# KiCad board Inkplate 6 SS_panel.kicad_pcb (continued)
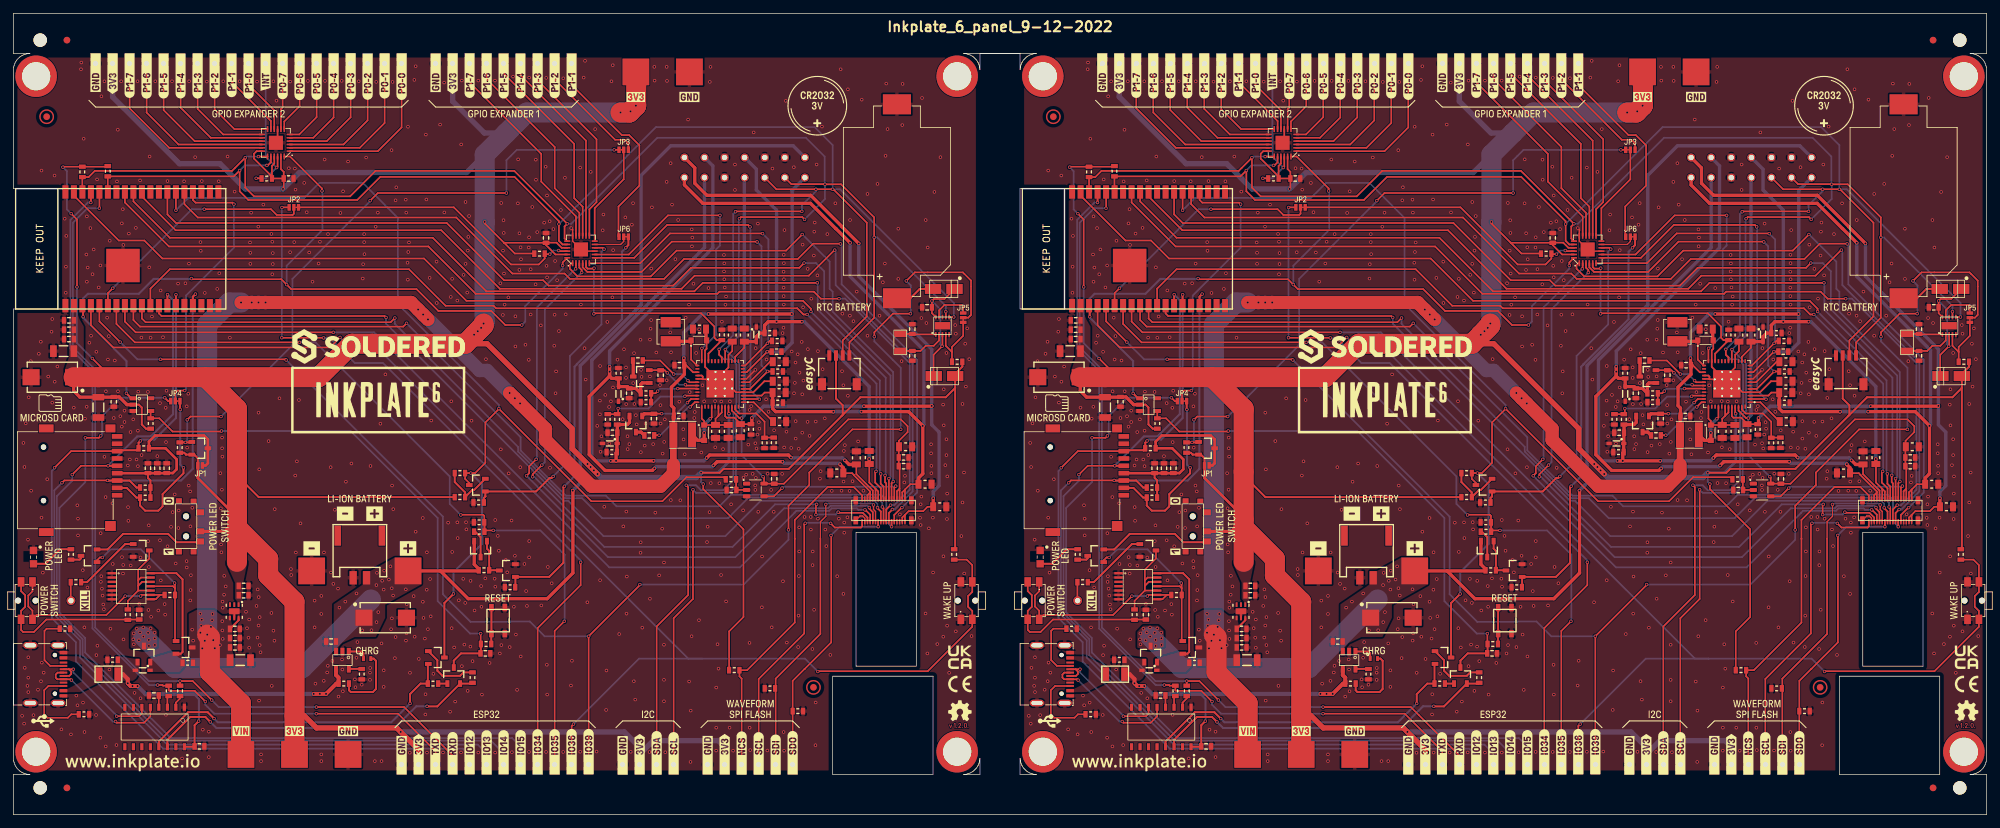
[diagram p0: board, top side]
## Placement (name value [footprint] x y rotation side) (continued)
kibuzzard-6374A419  G***  [kibuzzard-6374A419]  162.68 110.95 90 top
kibuzzard-6374A419#2  G***  [kibuzzard-6374A419]  12.28 110.95 90 top
kibuzzard-6374A452  G***  [kibuzzard-6374A452]  167.76 110.5 90 top
kibuzzard-6374A452#2  G***  [kibuzzard-6374A452]  17.36 110.5 90 top
kibuzzard-6374A470  G***  [kibuzzard-6374A470]  19.9 110.45 90 top
kibuzzard-6374A470#2  G***  [kibuzzard-6374A470]  170.3 110.45 90 top
kibuzzard-6374A498  G***  [kibuzzard-6374A498]  172.84 110.45 90 top
kibuzzard-6374A498#2  G***  [kibuzzard-6374A498]  22.44 110.45 90 top
kibuzzard-6374A512  G***  [kibuzzard-6374A512]  190.62 110.4 90 top
kibuzzard-6374A512#2  G***  [kibuzzard-6374A512]  40.22 110.4 90 top
kibuzzard-6374A524  G***  [kibuzzard-6374A524]  42.76 110.33 90 top
kibuzzard-6374A524#2  G***  [kibuzzard-6374A524]  193.16 110.33 90 top
kibuzzard-6374A533  G***  [kibuzzard-6374A533]  45.3 110.35 90 top
kibuzzard-6374A533#2  G***  [kibuzzard-6374A533]  195.7 110.35 90 top
kibuzzard-6374A545  G***  [kibuzzard-6374A545]  47.84 110.38 90 top
kibuzzard-6374A545#2  G***  [kibuzzard-6374A545]  198.24 110.38 90 top
kibuzzard-6374A558  G***  [kibuzzard-6374A558]  200.78 110.38 90 top
kibuzzard-6374A558#2  G***  [kibuzzard-6374A558]  50.38 110.38 90 top
kibuzzard-6374A567  G***  [kibuzzard-6374A567]  203.32 110.35 90 top
kibuzzard-6374A567#2  G***  [kibuzzard-6374A567]  52.92 110.35 90 top
kibuzzard-6374A576  G***  [kibuzzard-6374A576]  55.46 110.45 90 top
kibuzzard-6374A576#2  G***  [kibuzzard-6374A576]  205.86 110.45 90 top
kibuzzard-6374BB6B  G***  [kibuzzard-6374BB6B]  51.76 47.25 0 top
kibuzzard-6374BB6B#2  G***  [kibuzzard-6374BB6B]  202.16 47.25 0 top
kibuzzard-6392D34F  G***  [kibuzzard-6392D34F]  53.95 45 0 top
kibuzzard-6392D34F#2  G***  [kibuzzard-6392D34F]  204.35 45 0 top
kibuzzard-6392D302  G***  [kibuzzard-6392D302]  44.56 39.8 0 top
kibuzzard-6392D302#2  G***  [kibuzzard-6392D302]  194.96 39.8 0 top
kibuzzard-6392D344  G***  [kibuzzard-6392D344]  49.57 45 0 top
kibuzzard-6392D344#2  G***  [kibuzzard-6392D344]  199.97 45 0 top
kibuzzard-6392D358  G***  [kibuzzard-6392D358]  209.36 39.8 0 top
kibuzzard-6392D358#2  G***  [kibuzzard-6392D358]  58.96 39.8 0 top
kibuzzard-63749FD7  G***  [kibuzzard-63749FD7]  254.12 8.88 90 top
kibuzzard-63749FD7#2  G***  [kibuzzard-63749FD7]  58 8.88 90 top
kibuzzard-63749FD7#3  G***  [kibuzzard-63749FD7]  208.4 8.88 90 top
kibuzzard-63749FD7#4  G***  [kibuzzard-63749FD7]  241.42 8.85 90 top
kibuzzard-63749FD7#5  G***  [kibuzzard-63749FD7]  91.02 8.85 90 top
kibuzzard-63749FD7#6  G***  [kibuzzard-63749FD7]  103.72 8.88 90 top
kibuzzard-63806D1F  G***  [kibuzzard-63806D1F]  35.14 104.8 0 top
kibuzzard-63806D1F#2  G***  [kibuzzard-63806D1F]  185.54 104.8 0 top
kibuzzard-63806D8A  G***  [kibuzzard-63806D8A]  34 12.5 0 top
kibuzzard-63806D8A#2  G***  [kibuzzard-63806D8A]  184.4 12.5 0 top
kibuzzard-63806D9D  G***  [kibuzzard-63806D9D]  192.4 12.5 0 top
kibuzzard-63806D9D#2  G***  [kibuzzard-63806D9D]  42 12.5 0 top
kibuzzard-63806D44  G***  [kibuzzard-63806D44]  73.24 104.8 0 top
kibuzzard-63806D44#2  G***  [kibuzzard-63806D44]  223.64 104.8 0 top
kibuzzard-63806DA8  G***  [kibuzzard-63806DA8]  200.4 12.5 0 top
kibuzzard-63806DA8#2  G***  [kibuzzard-63806DA8]  50 12.5 0 top
kibuzzard-63806DC4  G***  [kibuzzard-63806DC4]  101 107.3 0 top
kibuzzard-63806DC4#2  G***  [kibuzzard-63806DC4]  251.4 107.3 0 top
kibuzzard-63806DD4  G***  [kibuzzard-63806DD4]  243.4 107.3 0 top
kibuzzard-63806DD4#2  G***  [kibuzzard-63806DD4]  93 107.3 0 top
kibuzzard-63806DE7  G***  [kibuzzard-63806DE7]  10.69 32 90 top
kibuzzard-63806DE7#2  G***  [kibuzzard-63806DE7]  161.09 32 90 top
kibuzzard-63806DF5  G***  [kibuzzard-63806DF5]  180.2 43.1 90 top
kibuzzard-63806DF5#2  G***  [kibuzzard-63806DF5]  29.8 43.1 90 top
kibuzzard-63806E00  G***  [kibuzzard-63806E00]  182 43.1 90 top
kibuzzard-63806E00#2  G***  [kibuzzard-63806E00]  31.6 43.1 90 top
kibuzzard-63806E1B  G***  [kibuzzard-63806E1B]  23.2 46.9 90 top
kibuzzard-63806E1B#2  G***  [kibuzzard-63806E1B]  173.6 46.9 90 top
kibuzzard-63806E27  G***  [kibuzzard-63806E27]  23.2 39.3 90 top
kibuzzard-63806E27#2  G***  [kibuzzard-63806E27]  173.6 39.3 90 top
kibuzzard-63806FD0  G***  [kibuzzard-63806FD0]  1.8 36.6 180 bottom
kibuzzard-63806FD0#2  G***  [kibuzzard-63806FD0]  152.2 36.6 180 bottom
kibuzzard-63807000  G***  [kibuzzard-63807000]  274.5 75.9 0 top
kibuzzard-63807000#2  G***  [kibuzzard-63807000]  124.1 75.9 0 top
kibuzzard-63809512  G***  [kibuzzard-63809512]  155.7 38.71 90 top
kibuzzard-63809512#2  G***  [kibuzzard-63809512]  5.3 38.71 90 top
L1  LQH44PN4R7MP0L  [1515L]  248.6 72.2 270 top
L1#2  LQH44PN4R7MP0L  [1515L]  98.2 72.2 270 top
L2  NR4012T2R2M  [NR4012]  250.4 56.8 0 top
L2#2  NR4012T2R2M  [NR4012]  100 56.8 0 top
PAD1  -  [PAD_4x4]  58.96 36.44 0 top
PAD1#2  -  [PAD_4x4]  209.36 36.44 0 top
PAD2  -  [PAD_4x4]  44.56 36.44 0 top
PAD2#2  -  [PAD_4x4]  194.96 36.44 0 top
PAD3  PAD_4x4  [PAD_4x4#2]  102 110.98 90 top
PAD3#2  PAD_4x4  [PAD_4x4#2]  252.4 110.98 90 top
PAD4  -  [PAD_4x4]  34 9 90 top
PAD4#2  -  [PAD_4x4]  184.4 9 90 top
PAD5  -  [PAD_4x4]  93 111.05 90 top
PAD5#2  -  [PAD_4x4]  243.4 111.05 90 top
PAD6  -  [PAD_4x4]  42 9 0 top
PAD6#2  -  [PAD_4x4]  192.4 9 0 top
PAD7  -  [PAD_4x4]  50 9 0 top
PAD7#2  -  [PAD_4x4]  200.4 9 0 top
Q1  PMOS  [SOT-23-3]  220.2 39.7 270 top
Q1#2  PMOS  [SOT-23-3]  69.8 39.7 270 top
Q2  PMOS  [SOT-23-3]  11.3 38.7 180 top
Q2#2  PMOS  [SOT-23-3]  161.7 38.7 180 top
Q3  NMOS  [SOT-23-3]  73.8 36.5 180 top
Q3#2  NMOS  [SOT-23-3]  224.2 36.5 180 top
Q4  SSM3J358R,LF  [SOT-23-3]  169.9 24 90 top
Q4#2  SSM3J358R,LF  [SOT-23-3]  19.5 24 90 top
Q5  NPN  [SOT-23-3]  216.19 20.79 90 top
Q5#2  NPN  [SOT-23-3]  65.79 20.79 90 top
Q6  NPN  [SOT-23-3]  169.5 39.5 0 top
Q6#2  NPN  [SOT-23-3]  19.1 39.5 0 top
Q7  NPN  [SOT-23-3]  63.19 23.49 0 top
Q7#2  NPN  [SOT-23-3]  213.59 23.49 0 top
Q8  SSM3J358R,LF  [SOT-23-3]  175.9 25 0 top
Q8#2  SSM3J358R,LF  [SOT-23-3]  25.5 25 0 top
Q9  DNP  [SOT-23-3]  69.31 49.27 180 top
Q9#2  DNP  [SOT-23-3]  219.71 49.27 180 top
Q10  PMOS  [SOT-23-3]  178.26 54.78 0 top
Q10#2  PMOS  [SOT-23-3]  27.86 54.78 0 top
R1  10k  [0603R]  10.3 96.1 90 top
R1#2  10k  [0603R]  160.7 96.1 90 top
R2  NTC-NCP18XH103F03RB  [0603R]  264 55.6 90 top
R2#2  NTC-NCP18XH103F03RB  [0603R]  113.6 55.6 90 top
R3  43k-RC0603FR-0743KL  [0603R]  112.22 55.58 90 top
R3#2  43k-RC0603FR-0743KL  [0603R]  262.62 55.58 90 top
R4  10k  [0603R]  164.5 96.2 90 top
R4#2  10k  [0603R]  14.1 96.2 90 top
R5  100k  [0603R]  264.6 66.26 0 top
R5#2  100k  [0603R]  114.2 66.26 0 top
R6  100k  [0603R]  264.52 70.82 0 top
R6#2  100k  [0603R]  114.12 70.82 0 top
R7  100k  [0603R]  256.25 71.73 90 top
R7#2  100k  [0603R]  105.85 71.73 90 top
R8  4k7  [0603R]  114.2 61.6 0 top
R8#2  4k7  [0603R]  264.6 61.6 0 top
R9  1k  [0603R]  49.36 19.59 0 top
R9#2  1k  [0603R]  199.76 19.59 0 top
R10  2k49  [0603R]  52.05 21 270 top
R10#2  2k49  [0603R]  202.45 21 270 top
R11  510k  [0603R]  70.31 36.54 180 top
R11#2  510k  [0603R]  220.71 36.54 180 top
R12  5k1  [0603R]  160.95 15 0 top
R12#2  5k1  [0603R]  10.55 15 0 top
R13  5k1  [0603R]  158.1 27.8 0 top
R13#2  5k1  [0603R]  7.7 27.8 0 top
R14  1k  [0603R]  159 38.9 90 top
R14#2  1k  [0603R]  8.6 38.9 90 top
R15  100k  [0603R]  224.6 34 0 top
R15#2  100k  [0603R]  74.2 34 0 top
R16  100k  [0603R]  220 42.3 180 top
R16#2  100k  [0603R]  69.6 42.3 180 top
R17  100k  [0603R]  219.98 43.7 0 top
R17#2  100k  [0603R]  69.58 43.7 0 top
R18  DNP  [0603R]  26.05 22.7 0 top
R18#2  DNP  [0603R]  176.45 22.7 0 top
R19  10k  [0603R]  213.09 19.59 180 top
R19#2  10k  [0603R]  62.69 19.59 180 top
R20  4k7  [0603R]  260.6 57.6 270 top
R20#2  4k7  [0603R]  110.2 57.6 270 top
R21  1k  [0603R]  159.74 34.76 180 top
R21#2  1k  [0603R]  9.34 34.76 180 top
R22  10k  [0603R]  68.59 20.49 270 top
R22#2  10k  [0603R]  218.99 20.49 270 top
R23  1k  [0603R]  173.6 18.5 90 top
R23#2  1k  [0603R]  23.2 18.5 90 top
R24  1k  [0603R]  175.3 18.5 90 top
R24#2  1k  [0603R]  24.9 18.5 90 top
R25  100k  [0603R]  23.37 32.84 0 top
R25#2  100k  [0603R]  173.77 32.84 0 top
R26  100k  [0603R]  17.1 29.9 90 top
R26#2  100k  [0603R]  167.5 29.9 90 top
R27  1k  [0603R]  217.11 47.47 180 top
R27#2  1k  [0603R]  66.71 47.47 180 top
R28  0R  [0603R]  66.71 51.07 180 top
R28#2  0R  [0603R]  217.11 51.07 180 top
R29  DNP  [0603R]  219.91 46.67 0 top
R29#2  DNP  [0603R]  69.51 46.67 0 top
R30  47R  [0603R]  70.62 25.51 180 top
R30#2  47R  [0603R]  221.02 25.51 180 top
R31  100k  [0603R]  140.55 38.9 90 top
R31#2  100k  [0603R]  290.95 38.9 90 top
R32  4k7  [0603R]  89.4 54.2 0 top
R32#2  4k7  [0603R]  239.8 54.2 0 top
R33  10k  [0603R]  291.4 67.7 0 top
R33#2  10k  [0603R]  141 67.7 0 top
R34  1k  [0603R]  117.2 15.48 180 top
R34#2  1k  [0603R]  267.6 15.48 180 top
R35  1k  [0603R]  263.43 18.88 0 top
R35#2  1k  [0603R]  113.03 18.88 0 top
R36  1k  [0603R]  258.1 21.6 0 top
R36#2  1k  [0603R]  107.7 21.6 0 top
R37  4k7  [0603R]  263.4 72 180 top
R37#2  4k7  [0603R]  113 72 180 top
R38  4k7  [0603R]  90.4 66 270 top
R38#2  4k7  [0603R]  240.8 66 270 top
R39  1M  [0603R]  90.2 59.1 270 top
R39#2  1M  [0603R]  240.6 59.1 270 top
R40  47k5-RC0603FR-0747K5L  [0603R]  239.2 59.1 90 top
R40#2  47k5-RC0603FR-0747K5L  [0603R]  88.8 59.1 90 top
R41  1M  [0603R]  94.5 63 180 top
R41#2  1M  [0603R]  244.9 63 180 top
R42  52k3-RC0603FR-0752K3L  [0603R]  94.5 61.68 0 top
R42#2  52k3-RC0603FR-0752K3L  [0603R]  244.9 61.68 0 top
R43  100k  [0603R]  165.23 23.15 0 top
R43#2  100k  [0603R]  14.83 23.15 0 top
R44  100k  [0603R]  175.26 54.88 90 top
R44#2  100k  [0603R]  24.86 54.88 90 top
R45  10k  [0603R]  78.6 83.87 0 top
R45#2  10k  [0603R]  229 83.87 0 top
R46  47k  [0603R]  170.91 58.48 270 top
R46#2  47k  [0603R]  20.51 58.48 270 top
R47  100k  [0603R]  19.7 47.4 0 top
R47#2  100k  [0603R]  170.1 47.4 0 top
R48  100k  [0603R]  170.1 48.9 0 top
R48#2  100k  [0603R]  19.7 48.9 0 top
R49  100k  [0603R]  19.48 54.78 0 top
R49#2  100k  [0603R]  169.88 54.78 0 top
R50  330R  [0603R]  257.61 50.14 0 top
R50#2  330R  [0603R]  107.21 50.14 0 top
R51  10k  [0603R]  188.25 95.11 180 top
R51#2  10k  [0603R]  37.85 95.11 180 top
REF**  -  [Logo-Front-CE-3.5mm]  291.8 19.53 0 top
REF**#2  -  [Fiducial]  8 115.8 0 top
REF**#3  -  [NPTH]  4 115.8 0 top
REF**#4  -  [Version1.2.0]  141.3 13.3 0 top
REF**#5  -  [Logo-Front-Inkplate6]  54.5 62 0 top
REF**#6  -  [Logo-Front-UKCA-3.5mm]  291.8 23.53 0 top
REF**#7  -  [Logo-Front-InkplateWebPage-20mm]  168.2 7.8 0 top
REF**#8  -  [Fiducial]  286.8 4 0 top
REF**#9  -  [Fiducial]  8 4 0 top
REF**#10  -  [Logo-Front-CE-3.5mm]  141.4 19.53 0 top
REF**#11  -  [Logo-Front-SolderedFULL-26mm]  54.5 70 0 top
REF**#12  -  [Logo-Front-UKCA-3.5mm]  141.4 23.53 0 top
REF**#13  -  [Logo-Front-Inkplate6]  204.9 62 0 top
REF**#14  -  [Logo-Front-SolderedFULL-26mm]  204.9 70 0 top
REF**#15  -  [NPTH]  290.8 4 0 top
REF**#16  -  [Version1.2.0]  291.7 13.3 0 top
REF**#17  -  [Fiducial]  286.8 115.8 0 top
REF**#18  -  [Logo-Front-InkplateWebPage-20mm]  17.8 7.8 0 top
REF**#19  -  [Symbol-Front-CR2032]  120.1 106 0 top
REF**#20  -  [NPTH]  4 4 0 top
REF**#21  -  [NPTH]  290.8 115.8 0 top
REF**#22  -  [Symbol-Front-CR2032]  270.5 106 0 top
REF**#23  -  [Fiducial]  286.8 4 0 bottom
REF**#24  -  [Fiducial]  286.8 115.8 0 bottom
REF**#25  -  [Fiducial]  8 115.8 0 bottom
REF**#26  -  [Fiducial]  8 4 0 bottom
S1  -  [SK-3296S-01-L1]  176.2 43.1 90 top
S1#2  -  [SK-3296S-01-L1]  25.8 43.1 90 top
SW1  -  [K2-1114SA-A4SW-06]  2 32 270 top
SW1#2  -  [K2-1114SA-A4SW-06]  152.4 32 270 top
SW2  -  [YTSA007A0151803B]  72.42 29.01 270 top
SW2#2  -  [YTSA007A0151803B]  222.82 29.01 270 top
SW3  -  [K2-1114SA-A4SW-06]  292.8 32 90 top
SW3#2  -  [K2-1114SA-A4SW-06]  142.4 32 90 top
U1  TPS65186RGZ  [VQFN-49]  105.59 64.4 180 top
U1#2  TPS65186RGZ  [VQFN-49]  255.99 64.4 180 top
U2  MCP73831T  [SOT-23-5]  199.56 23.09 270 top
U2#2  MCP73831T  [SOT-23-5]  49.16 23.09 270 top
U3  -  [TPS7A2633DRVR]  183.4 30.4 270 top
U3#2  -  [TPS7A2633DRVR]  33 30.4 270 top
U4  MC14093BDTR2G  [TSSOP-14]  165.1 36.1 0 top
U4#2  MC14093BDTR2G  [TSSOP-14]  14.7 36.1 0 top
U5  CH340C  [SOP-16]  171.5 13.1 270 top
U5#2  CH340C  [SOP-16]  21.1 13.1 270 top
U6  TPS3840PL27DBVR  [SOT-23-5]  19.2 61.3 0 top
U6#2  TPS3840PL27DBVR  [SOT-23-5]  169.6 61.3 0 top
U7  -  [SN74LVC1G34DBV]  110.85 48.54 0 top
U7#2  -  [SN74LVC1G34DBV]  261.25 48.54 0 top
U8  -  [PCAL6416AHF,128]  235.2 84.5 90 top
U8#2  -  [PCAL6416AHF,128]  84.8 84.5 90 top
U9  -  [PCAL6416AHF,128]  39.22 100.45 180 top
U9#2  -  [PCAL6416AHF,128]  189.62 100.45 180 top
U10  -  [PCF85063A]  289.2 73.1 90 top
U10#2  -  [PCF85063A]  138.8 73.1 90 top
U12  -  [ESP32-WROVER]  169.6 84.6 90 top
U12#2  -  [ESP32-WROVER]  19.2 84.6 90 top
X1  7LC32768F12UC  [ABS07AIG-32.768KHZ-7-D-T]  282.9 70.61 270 top
X1#2  7LC32768F12UC  [ABS07AIG-32.768KHZ-7-D-T]  132.5 70.61 270 top

## Library data of the parts
D7 D7#2 = -: Package: 0402

## Footprints (pads in the part's own frame, mm; a bottom-side part is the same pattern mirrored in y, then rotated)
0402LED
  rect 0.45x0.75 smd: 1(-0.55,0) 2(0.55,0)
0603C
  rect 0.66x1 smd: 1(-0.73,0) 2(0.73,0)
0603R
  rect 0.64x1 smd: 1(-0.775,0) 2(0.775,0)
0805C
  rect 0.9x1.35 smd: 1(-0.975,0) 2(0.975,0)
1206C
  rect 1x1.75 smd: 1(-1.525,0) 2(1.525,0)
1206FUSE
  rect 1x2 smd: 1(-1.4,0) 2(1.4,0)
1515L
  rect 1.55x3 smd: 1(-1.425,0) 2(1.425,0)
2917C
  rect 2.55x2.4 smd: 1(-3.175,0) 2(3.175,0)
ABS07AIG-32.768KHZ-7-D-T
  rect 1x1.8 smd: 1(-1.275,0) 2(1.275,0)
AXT334124
  rect 0.23x0.8 smd: 1(-3.2,-1.7) 2(-3.2,1.7) 3(-2.8,-1.7) 4(-2.8,1.7) 5(-2.4,-1.7) 6(-2.4,1.7) 7(-2,-1.7) 8(-2,1.7) 9(-1.6,-1.7) 10(-1.6,1.7) 11(-1.2,-1.7) 12(-1.2,1.7) 13(-0.8,-1.7) 14(-0.8,1.7) 15(-0.4,-1.7) 16(-0.4,1.7) 17(0,-1.7) 18(0,1.7) 19(0.4,-1.7) 20(0.4,1.7) 21(0.8,-1.7) 22(0.8,1.7) 23(1.2,-1.7) 24(1.2,1.7) 25(1.6,-1.7) 26(1.6,1.7) 27(1.999,-1.7) 28(1.999,1.7) 29(2.398,-1.7) 30(2.398,1.7) 31(2.8,-1.7) 32(2.8,1.7) 33(3.2,-1.7) 34(3.2,1.7)
  rect 0.7x1.2 smd: SH(-4.15,1.5) SH(-4.15,-1.5) SH(4.15,1.5) SH(4.15,-1.5)
CR2032-BS-6-1
  rect 3x4.2 smd: +(14.5,0) -(-14.5,0)
easyC-connector
  rect 0.6x1.55 smd: 1(-1.5,-2.15) 2(-0.5,-2.15) 3(0.5,-2.15) 4(1.5,-2.15)
  rect 1.2x1.8 smd: 5(-2.6,2.15) 5(2.6,2.15)
ESP32-WROVER
  rect 2x0.9 smd: 1(-8.5,11.43) 2(-8.5,10.16) 3(-8.5,8.89) 4(-8.5,7.62) 5(-8.5,6.35) 6(-8.5,5.08) 7(-8.5,3.81) 8(-8.5,2.54) 9(-8.5,1.27) 10(-8.5,0) 11(-8.5,-1.27) 12(-8.5,-2.54) 13(-8.5,-3.81) 14(-8.5,-5.08) 15(-8.5,-6.35) 16(-8.5,-7.62) 17(-8.5,-8.89) 18(-8.5,-10.16) 19(-8.5,-11.43) 20(8.5,-11.43) 21(8.5,-10.16) 22(8.5,-8.89) 23(8.5,-7.62) 24(8.5,-6.35) 25(8.5,-5.08) 26(8.5,-3.81) 27(8.5,-2.54) 28(8.5,-1.27) 29(8.5,0) 30(8.5,1.27) 31(8.5,2.54) 32(8.5,3.81) 33(8.5,5.08) 34(8.5,6.35) 35(8.5,7.62) 36(8.5,8.89) 37(8.5,10.16) 38(8.5,11.43)
  rect 5x5 smd: 39(-2.5,2.83)
Fiducial
  round 1 smd: (0,0)
FIDUCIAL_23
  round 1 smd: 1(0,0)
HEADER_MALE_1X1_Inkplate
  round 1.3 hole 0.8: 1(0,0)
HYC77-TF09-200
  round 0.8 hole 1 unplated: (-4.95,-5.5) (3.05,-5.5)
  rect 0.7x1.6 smd: 1(2.25,5.5) 2(1.15,5.5) 3(0.05,5.5) 4(-1.05,5.5) 5(-2.15,5.5) 6(-3.25,5.5) 7(-4.35,5.5) 8(-5.45,5.5) CD(-6.55,5.5)
  rect 1.2x2.2 smd: 12(7.75,-5.1) MNT(-7.75,-5.1)
  rect 1.2x1.5 smd: MNT(-7.75,4.5)
  rect 1.5x1.6 smd: MNT(6.85,4.5)
INKPLATE TEST HEADER
  round 1.2 hole 0.8: 1(-1.5,9) 2(-1.5,6) 3(-1.5,3) 4(-1.5,0) 5(-1.5,-3) 6(-1.5,-6) 7(-1.5,-9) 8(1.5,-9) 9(1.5,-6) 10(1.5,-3) 11(1.5,0) 12(1.5,3) 13(1.5,6) 14(1.5,9)
JST-2pin-SMD
  rect 1x3 smd: (-3.3,3.15) (3.3,3.15)
  rect 1.1x2 smd: 1(1,-3.15) 2(-1,-3.15)
K2-1114SA-A4SW-06
  round 0.9 hole 0.9 unplated: (0,1.3) (0,-1.3)
  rect 1.4x1 smd: 1(-2.8,0.85) 1(2.8,0.85) 2(-2.8,-0.85) 2(2.8,-0.85)
LTST-S270GKT
  rect 1.1x1.1 smd: 1(-1,0) 2(1,0)
M4_DIODA
  rect 2.45x1.5 smd: 1(-1.6,0) 2(1.6,0)
NPTH
  round 2 hole 2 unplated: (0,0)
NR4012
  rect 1.2x3.7 smd: 1(-1.4,0) 2(1.4,0)
PAD_4x4
  rect 4x4 smd: 1(0,0)
PAD_4x4#2
  rect 4x4 smd: 1(0.075,1)
PCAL6416AHF,128
  rect 0.9x0.24 smd: 1(-2.05,1.25) 2(-2.05,0.75) 3(-2.05,0.25) 4(-2.05,-0.25) 5(-2.05,-0.75) 6(-2.05,-1.25) 13(2.05,-1.25) 14(2.05,-0.75) 15(2.05,-0.25) 16(2.05,0.25) 17(2.05,0.75) 18(2.05,1.25)
  rect 0.24x0.9 smd: 7(-1.25,-2.05) 8(-0.75,-2.05) 9(-0.25,-2.05) 10(0.25,-2.05) 11(0.75,-2.05) 12(1.25,-2.05) 19(1.25,2.05) 20(0.75,2.05) 21(0.25,2.05) 22(-0.25,2.05) 23(-0.75,2.05) 24(-1.25,2.05)
  rect 2.1x2.1 smd: 25(0,0)
PCF85063A
  rect 1.1x2.3 smd: (0,0)
  rect 0.7x0.25 smd: 1(-1.3,1) 2(-1.3,0.5) 3(-1.3,0) 4(-1.3,-0.5) 5(-1.3,-1) 6(1.3,-1) 7(1.3,-0.5) 8(1.3,0) 9(1.3,0.5) 10(1.3,1)
SK-3296S-01-L1
  rect 0.9x1.2 smd: 1(2.1,-2.1) 2(-0.75,-2.1) 3(-2.25,-2.1)
  round 0.9 hole 0.9: MH1(-1.5,0) MH2(1.5,0)
  rect 0.8x0.9 smd: MP1(-3.8,-1.125) MP2(3.75,-1.125) MP3(3.8,1.075) MP4(-3.8,1.075)
SMD_JUMPER
  rect 0.5x1 smd: 1(-0.35,0) 2(0.35,0)
SMD_JUMPER_3_PAD_CONNECTED_LEFT_TRACE
  rect 0.5x1 smd: 1(-0.7,0) 3(0.7,0)
  custom 0.5x1 smd: 2(0,0)
SN74LVC1G34DBV
  rrect 1.1x0.6 smd: 1(-1.3,0.95) 2(-1.3,0) 3(-1.3,-0.95) 4(1.3,-0.95) 5(1.3,0.95)
SOD-323
  rect 0.8x0.5 smd: 1(-1.1,0) 2(1.1,0)
SOD-323-2
  rect 0.8x0.9 smd: 1(-1.15,0) 2(1.15,0)
SOP-16
  rect 1.05x0.48 smd: 1(-2.95,4.445) 2(-2.95,3.175) 3(-2.95,1.905) 4(-2.95,0.635) 5(-2.95,-0.635) 6(-2.95,-1.905) 7(-2.95,-3.175) 8(-2.95,-4.445) 9(2.95,-4.445) 10(2.95,-3.175) 11(2.95,-1.905) 12(2.95,-0.635) 13(2.95,0.635) 14(2.95,1.905) 15(2.95,3.175) 16(2.95,4.445)
SOT-23-3
  rect 1x0.6 smd: 1(-1.2,0.95) 2(-1.2,-0.95) 3(1.2,0)
SOT-23-5
  rect 1.1x0.6 smd: 1(-1.3,0.95) 2(-1.3,0) 3(-1.3,-0.95) 4(1.3,-0.95) 5(1.3,0.95)
Standoff_M3
  round 6.2 hole 4.22: (0,0)
TPS7A2633DRVR
  rect 0.7x0.3 smd: 1(-0.995,0.65) 2(-0.995,0) 3(-0.995,-0.65) 4(0.995,-0.65) 5(0.995,0) 6(0.995,0.65)
  rect 0.89x1.6 smd: 5(0,0)
TSSOP-14
  rect 1.26x0.36 smd: 1(0,0) 2(0,-0.65) 3(0,-1.3) 4(0,-1.95) 5(0,-2.6) 6(0,-3.25) 7(0,-3.9) 8(5.8,-3.9) 9(5.8,-3.25) 10(5.8,-2.6) 11(5.8,-1.95) 12(5.8,-1.3) 13(5.8,-0.65) 14(5.8,0)
U262-161N-4BVC11
  round 0.65 hole 0.65 unplated: (-2.913,-3.2) (2.862,-3.2)
  rect 0.3x1.15 smd: A1(3.337,-4.475) A4(2.537,-4.475) A5(1.237,-4.475) A6(0.237,-4.475) A7(-0.263,-4.475) A8(-1.263,-4.475) A9(-2.563,-4.475) A12(-3.338,-4.475) B1(-3.138,-4.475) B4(-2.363,-4.475) B5(-1.763,-4.475) B6(-0.763,-4.475) B7(0.737,-4.475) B8(1.737,-4.475) B9(2.337,-4.475) B12(3.112,-4.475)
  oval 1x2.1 hole 0.6x1.7: SH(-4.313,0.475) SH(-4.313,-3.675) SH(4.312,0.475) SH(4.312,-3.675)
VQFN-49
  rect 0.6x0.24 smd: 1(-3.4,2.75) 2(-3.4,2.25) 3(-3.4,1.75) 4(-3.4,1.25) 5(-3.4,0.75) 6(-3.4,0.25) 7(-3.4,-0.25) 8(-3.4,-0.75) 9(-3.4,-1.25) 10(-3.4,-1.75) 11(-3.4,-2.25) 12(-3.4,-2.75) 25(3.4,-2.75) 26(3.4,-2.25) 27(3.4,-1.75) 28(3.4,-1.25) 29(3.4,-0.75) 30(3.4,-0.25) 31(3.4,0.25) 32(3.4,0.75) 33(3.4,1.25) 34(3.4,1.75) 35(3.4,2.25) 36(3.4,2.75)
  rect 0.24x0.6 smd: 13(-2.75,-3.4) 14(-2.25,-3.4) 15(-1.75,-3.4) 16(-1.25,-3.4) 17(-0.75,-3.4) 18(-0.25,-3.4) 19(0.25,-3.4) 20(0.75,-3.4) 21(1.25,-3.4) 22(1.75,-3.4) 23(2.25,-3.4) 24(2.75,-3.4) 37(2.75,3.4) 38(2.25,3.4) 39(1.75,3.4) 40(1.25,3.4) 41(0.75,3.4) 42(0.25,3.4) 43(-0.25,3.4) 44(-0.75,3.4) 45(-1.25,3.4) 46(-1.75,3.4) 47(-2.25,3.4) 48(-2.75,3.4)
  round 0.5 hole 0.3: 49(-1.8,0.685) 49(-1.8,-0.685) 49(-0.685,1.8) 49(-0.685,0.685) 49(-0.685,-0.685) 49(-0.57,-1.78) 49(0.685,1.8) 49(0.685,0.685) 49(0.685,-0.685) 49(0.685,-1.8) 49(1.8,0.685) 49(1.8,-0.685)
  rect 4.1x4.1 smd: 49(0,0)
YTSA007A0151803B
  rect 0.7x0.25 smd: (0,1.625) (0,-1.625)
  rect 1.1x0.7 smd: 1(-1.95,1) 1(1.95,1) 2(-1.95,-1) 2(1.95,-1)

## Nets
Board_0-/POWER/VDDH_D: C19.2 D9.1 U1.35
Board_0-/POWER/VDDH_DRV: C17.1 U1.36
Board_0-/POWER/VDDH_FB: R39.1 R40#2.2 U1.34
Board_0-/POWER/VEE_D: C18.2 D6.2 U1.31
Board_0-/POWER/VEE_DRV: C16#2.2 U1.30
Board_0-/POWER/VEE_FB: R41.1 R42.2 U1.32
Board_1-/POWER/VDDH_D: C19#2.2 D9#2.1 U1#2.35
Board_1-/POWER/VDDH_DRV: C17#2.1 U1#2.36
Board_1-/POWER/VDDH_FB: R39#2.1 R40.2 U1#2.34
Board_1-/POWER/VEE_D: C18#2.2 D6#2.2 U1#2.31
Board_1-/POWER/VEE_DRV: C16.2 U1#2.30
Board_1-/POWER/VEE_FB: R41#2.1 R42#2.2 U1#2.32
Board_0-3V3: C29.2 C30#2.2 C37.2 C38#2.2 C46#2.2 C47#2.2 C48#2.2 C49.2 C50.1 C55.2 C56#2.2 D10.1 JP1.2 K7#2.1 K8.3 K30#2.1 K51#2.1 K52#2.1 K56#2.1 PAD5.1 PAD6.1 Q10#2.2 R1.2 R4#2.2 R27#2.2 R31.2 R33#2.2 R36#2.1 R44#2.1 R45.1 R46#2.2 R51#2.1 S1#2.2 U1.45 U3#2.1 U6.2 U8#2.21 U8#2.23 U9.18 U9.21 U9.23 U12#2.2
Board_0-3V3-EINK: C31#2.2 C43#2.2 C44.2 C53.2 K1#2.4 K15.5 K15.7 U1.46 U7.5
Board_0-3V3_MICROSD: C32#2.2 C33#2.2 C34.2 JP1.1 K13#2.4 Q10#2.3 R47.2 R48#2.2 R49.2
Board_0-3V3_RTC: C42#2.2 D10.2 D11#2.2 U10#2.3 U10#2.10
Board_0-/CTRL & COMS/CH_RXD: R23#2.1 U5#2.3
Board_0-/CTRL & COMS/CH_TXD: R24#2.1 U5#2.2
Board_0-/CTRL & COMS/DTR: Q7.2 R19#2.2 U5#2.13
Board_0-/CTRL & COMS/RTS: Q5#2.2 R22.2 U5#2.14
Board_0-/MCU/GPB_3: K19#2.1 U8#2.13
Board_0-/MCU/GPB_4: K23#2.1 U8#2.14
Board_0-/MCU/GPB_5: K24.1 U8#2.15
Board_0-/MCU/GPB_6: K31#2.1 U8#2.16
Board_0-/MCU/GPB_7: K32#2.1 U8#2.17
Board_0-/MCU/INTB: JP2.1 R45.2 U8#2.22
Board_0-/POWER/INT_LDO: C4#2.2 U1.7
Board_0-/POWER/TS: R2#2.2 R3.2 U1.47
Board_0-/POWER/VB: C11.1 C12.2 D3#2.1 U1.37 U1.42 U1.43
Board_0-/POWER/VB_SW: D3#2.2 L2#2.2 U1.40
Board_0-/POWER/VN: C3#2.2 C7#2.2 C9.1 D1#2.2 U1.4 U1.16 U1.23 U1.28 U1.29 U1.49
Board_0-/POWER/VN_SW: D1#2.1 L1#2.2 U1.25
Board_0-/POWER/VREF: C1.2 U1.1
Board_0-/SD_RTC_GPIO/CLKOUT_RTC: JP5.3 U10#2.9
Board_0-/SD_RTC_GPIO/X1: C40#2.2 U10#2.1 X1#2.1
Board_0-/SD_RTC_GPIO/X2: C41.2 U10#2.2 X1#2.2
Board_0-D+: K3#2.A6 K3#2.B6 U5#2.5
Board_0-D-: K3#2.A7 K3#2.B7 U5#2.6
Board_0-EPD_CKV: K15.28 U12#2.8
Board_0-EPD_CL: K15.9 U7.4
Board_0-EPD_D0: K15.13 U12#2.26
Board_0-EPD_D1: K15.14 U12#2.29
Board_0-EPD_D2: K15.15 U12#2.30
Board_0-EPD_D3: K15.16 U12#2.31
Board_0-EPD_D4: K15.17 U12#2.37
Board_0-EPD_D5: K15.18 U12#2.10
Board_0-EPD_D6: K15.19 U12#2.11
Board_0-EPD_D7: K15.20 U12#2.12
Board_0-EPD_GMODE: K15.26 U8#2.2
Board_0-EPD_LE: K15.10 U12#2.24
Board_0-EPD_OE: K15.11 U8#2.1
Board_0-EPD_SPH: K15.12 U12#2.9
Board_0-EPD_SPV: K15.30 U8#2.3
Board_0-GND: C1.1 C2#2.1 C3#2.1 C4#2.1 C5.1 C6.1 C7#2.1 C8#2.1 C9.2 C10#2.1 C11.2 C12.1 C13.1 C14.1 C15.1 C18.1 C19.1 C20.2 C21.1 C22.1 C23.1 C24.1 C25#2.1 C26#2.1 C27#2.1 C28.1 C29.1 C30#2.1 C31#2.1 C32#2.1 C33#2.1 C34.1 C35.1 C36#2.1 C37.1 C38#2.1 C39.1 C40#2.1 C41.1 C42#2.1 C43#2.1 C44.1 C45.1 C46#2.1 C47#2.1 C48#2.1 C49.1 C50.2 C51.1 C52.1 C53.1 C54#2.1 C55.1 C56#2.1 D2#2.1 D4#2.2 D5.2 D8#2.2 K1#2.3 K1#2.9 K1#2.10 K1#2.12 K2.2 K3#2.A1 K3#2.A12 K3#2.B1 K3#2.B12 K3#2.SH K6#2.1 K8.4 K8.5 K13#2.6 K14#2.- K15.6 K15.8 K15.31 K15.32 K15.SH K54#2.1 K55.1 K57.1 K58.1 L1#2.1 PAD2.1 PAD3.1 PAD7.1 Q3.2 Q6#2.2 R2#2.1 R3.1 R5#2.2 R6#2.2 R7#2.2 R8.2 R10.2 R12#2.2 R13#2.2 R15#2.1 R17#2.1 R20#2.2 R29#2.1 R32.1 R34.1 R35#2.1 R37#2.1 R38.1 R40#2.1 R42.1 R43#2.1 SW2.1 SW3#2.1 U1.6 U1.8 U1.33 U1.41 U1.48 U2#2.2 U3#2.5 U4#2.1 U4#2.2 U4#2.5 U4#2.6 U4#2.7 U5#2.1 U6.3 U7.3 U8#2.9 U8#2.18 U8#2.25 U9.9 U9.25 U10#2.5 U12#2.1 U12#2.15 U12#2.38 U12#2.39
Board_0-GPIO15: JP4.3 K29#2.1
Board_0-GPIO_0: Q7.3 Q9.3 R28.1 R50#2.1 U12#2.25
Board_0-GPIO_0_MOSFET: Q9.1 R29#2.2 U8#2.10
Board_0-GPIO_36: K28#2.1 R31.1 SW3#2.2 U12#2.4
Board_0-GPIO_39: JP5.2 K27#2.1 U12#2.5
Board_0-I2C_SCL: K1#2.6 K5#2.1 K8.1 R1.1 U1.17 U8#2.19 U9.19 U10#2.7 U12#2.36
Board_0-I2C_SDA: K1#2.5 K8.2 K9#2.1 R4#2.1 U1.18 U8#2.20 U9.20 U10#2.6 U12#2.33
Board_0-INT: U1.2 U8#2.7
Board_0-IO34: JP2.2 U12#2.6
Board_0-MANUAL_RST: C28.2 Q5#2.3 R30.2 R46#2.1 U6.4
Board_0-Net-(C16-Pad1): C16#2.1 D6.3
Board_0-Net-(C17-Pad2): C17.2 D9.3
Board_0-Net-(C26-Pad2): C26#2.2 U5#2.4
Board_0-Net-(C27-Pad2): C27#2.2 R26.1 SW1.2
Board_0-Net-(C35-Pad2): C35.2 R50#2.2 U7.2
Board_0-Net-(D7-Pad1): D7#2.1 R9.2
Board_0-Net-(D7-Pad2): D7#2.2 U2#2.1
Board_0-Net-(D8-Pad1): D8#2.1 R14#2.2
Board_0-Net-(D11-Pad1): D11#2.1 K14#2.+
Board_0-Net-(F1-Pad2): F1#2.2 K3#2.A4 K3#2.A9 K3#2.B4 K3#2.B9
Board_0-Net-(JP2-Pad3): JP2.3 K17.1
Board_0-Net-(JP3-Pad2): JP3.2 U8#2.12
Board_0-Net-(JP3-Pad3): JP3.3 K33#2.1
Board_0-Net-(JP4-Pad1): JP4.1 K13#2.2 R47.1
Board_0-Net-(JP5-Pad1): JP5.1 R33#2.1 U10#2.4
Board_0-Net-(JP6-Pad2): JP6.2 U8#2.11
Board_0-Net-(JP6-Pad3): JP6.3 K34.1
Board_0-Net-(K3-PadA5): K3#2.A5 R13#2.1
Board_0-Net-(K3-PadB5): K3#2.B5 R12#2.1
Board_0-Net-(K4-Pad1): K4.1 R21#2.2
Board_0-Net-(K10-Pad1): K10.1 K15.22 R34.2
Board_0-Net-(K11-Pad1): K11#2.1 K15.24 R35#2.2
Board_0-Net-(K12-Pad1): K12#2.1 K15.33 R36#2.2
Board_0-Net-(K15-Pad34): K15.34 K16#2.1
Board_0-Net-(K35-Pad1): K35.1 U9.1
Board_0-Net-(K36-Pad1): K36.1 U9.2
Board_0-Net-(K37-Pad1): K37#2.1 U9.3
Board_0-Net-(K38-Pad1): K38.1 U9.4
Board_0-Net-(K39-Pad1): K39#2.1 U9.5
Board_0-Net-(K40-Pad1): K40#2.1 U9.6
Board_0-Net-(K41-Pad1): K41#2.1 U9.7
Board_0-Net-(K42-Pad1): K42#2.1 U9.8
Board_0-Net-(K43-Pad1): K43.1 U9.10
Board_0-Net-(K44-Pad1): K44.1 U9.11
Board_0-Net-(K45-Pad1): K45#2.1 U9.12
Board_0-Net-(K46-Pad1): K46.1 U9.13
Board_0-Net-(K47-Pad1): K47.1 U9.14
Board_0-Net-(K48-Pad1): K48#2.1 U9.15
Board_0-Net-(K49-Pad1): K49.1 U9.16
Board_0-Net-(K50-Pad1): K50#2.1 U9.17
Board_0-Net-(K53-Pad1): K53#2.1 R51#2.2 U9.22
Board_0-Net-(Q1-Pad1): Q1#2.1 Q3.3 R11.1
Board_0-Net-(Q1-Pad3): Q1#2.3 R16#2.2
Board_0-Net-(Q2-Pad2): Q2.2 S1#2.3
Board_0-Net-(Q2-Pad3): Q2.3 R14#2.1
Board_0-Net-(Q5-Pad1): Q5#2.1 R19#2.1
Board_0-Net-(Q6-Pad1): Q6#2.1 R21#2.1
Board_0-Net-(Q6-Pad3): Q6#2.3 R26.2 U4#2.10 U4#2.12 U4#2.13
Board_0-Net-(Q7-Pad1): Q7.1 R22.1
Board_0-Net-(Q9-Pad2): Q9.2 R27#2.1 R28.2
Board_0-Net-(R10-Pad1): R10.1 U2#2.5
Board_0-Net-(R25-Pad1): R25.1 SW1.1 U4#2.8 U4#2.9
Board_0-Net-(R30-Pad1): R30.1 SW2.2
Board_0-PWR_GOOD: U1.24 U8#2.8
Board_0-PWRUP: R7#2.1 U1.22 U8#2.5
Board_0-RST: U6.1 U8#2.24 U9.24 U12#2.3
Board_0-RXD: K21.1 R24#2.2 U12#2.34
Board_0-SD_ENABLE: JP3.1 Q10#2.1 R44#2.2
Board_0-SPI_CS: JP4.2 U12#2.23
Board_0-SPI_MISO: K13#2.7 K25#2.1 R49.1 U12#2.14
Board_0-SPI_MOSI: K13#2.3 K26#2.1 R48#2.1 U12#2.16
Board_0-SPI_SCK: K13#2.5 K22#2.1 U12#2.13
Board_0-SW_IN: D12#2.2 Q4#2.2 Q8#2.2 R18.1 U4#2.14
Board_0-SW_OUT_D: Q2.1 Q8#2.1 R25.2 U4#2.11
Board_0-TXD: K20#2.1 R23#2.2 U12#2.35
Board_0-unconnected-(K3-PadA8): K3#2.A8
Board_0-unconnected-(K3-PadB8): K3#2.B8
Board_0-unconnected-(K13-Pad1): K13#2.1
Board_0-unconnected-(K13-Pad8): K13#2.8
Board_0-unconnected-(S1-Pad1): S1#2.1
Board_0-unconnected-(U3-Pad3): U3#2.3
Board_0-unconnected-(U4-Pad3): U4#2.3
Board_0-unconnected-(U4-Pad4): U4#2.4
Board_0-unconnected-(U5-Pad9): U5#2.9
Board_0-unconnected-(U5-Pad10): U5#2.10
Board_0-unconnected-(U5-Pad11): U5#2.11
Board_0-unconnected-(U5-Pad12): U5#2.12
Board_0-unconnected-(U5-Pad15): U5#2.15
Board_0-unconnected-(U6-Pad5): U6.5
Board_0-unconnected-(U7-Pad1): U7.1
Board_0-unconnected-(U10-Pad8): U10#2.8
Board_0-unconnected-(U12-Pad17): U12#2.17
Board_0-unconnected-(U12-Pad18): U12#2.18
Board_0-unconnected-(U12-Pad19): U12#2.19
Board_0-unconnected-(U12-Pad20): U12#2.20
Board_0-unconnected-(U12-Pad21): U12#2.21
Board_0-unconnected-(U12-Pad22): U12#2.22
Board_0-V_BAT: K18#2.1 R16#2.1 R17#2.2 U12#2.7
Board_0-V_BAT_MOS: JP6.1 Q3.1 R15#2.2
Board_0-VBAT: C20.1 C21.2 K1#2.8 K2.1 PAD1.1 Q1#2.2 Q4#2.3 R11.2 U2#2.3
Board_0-VCOM: C6.2 C54#2.2 D4#2.1 K1#2.11 K15.21 K15.23 R37#2.2 U1.14
Board_0-VCOM_CTRL: R6#2.1 U1.12 U8#2.6
Board_0-VDDH: C14.2 C45.2 D2#2.2 D9.2 K1#2.2 K15.25 R32.2 R39.2
Board_0-VEE: C15.2 C52.2 D5.1 D6.1 K1#2.13 K15.27 K15.29 R38.2 R41.2
Board_0-VIN: C5.2 C8#2.2 C10#2.2 C22.2 C23.2 C24.2 C36#2.2 K1#2.7 L2#2.1 PAD4.1 Q8#2.3 R18.2 U1.10 U1.27 U3#2.4 U3#2.6
Board_0-VNEG: C2#2.2 C39.2 K1#2.1 K15.1 K15.3 R8.1 U1.3
Board_0-VPOS: C13.2 C51.2 K1#2.14 K15.2 K15.4 R20#2.1 U1.44
Board_0-VUSB: C25#2.2 D12#2.1 F1#2.1 Q4#2.1 R9.1 R43#2.2 U2#2.4 U5#2.16
Board_0-WAKEUP: R5#2.1 U1.5 U8#2.4
Board_1-3V3: C29#2.2 C30.2 C37#2.2 C38.2 C46.2 C47.2 C48.2 C49#2.2 C50#2.1 C55#2.2 C56.2 D10#2.1 JP1#2.2 K7.1 K8#2.3 K30.1 K51.1 K52.1 K56.1 PAD5#2.1 PAD6#2.1 Q10.2 R1#2.2 R4.2 R27.2 R31#2.2 R33.2 R36.1 R44.1 R45#2.1 R46.2 R51.1 S1.2 U1#2.45 U3.1 U6#2.2 U8.21 U8.23 U9#2.18 U9#2.21 U9#2.23 U12.2
Board_1-3V3-EINK: C31.2 C43.2 C44#2.2 C53#2.2 K1.4 K15#2.5 K15#2.7 U1#2.46 U7#2.5
Board_1-3V3_MICROSD: C32.2 C33.2 C34#2.2 JP1#2.1 K13.4 Q10.3 R47#2.2 R48.2 R49#2.2
